# KiCad board panelizado.kicad_pcb (continued)
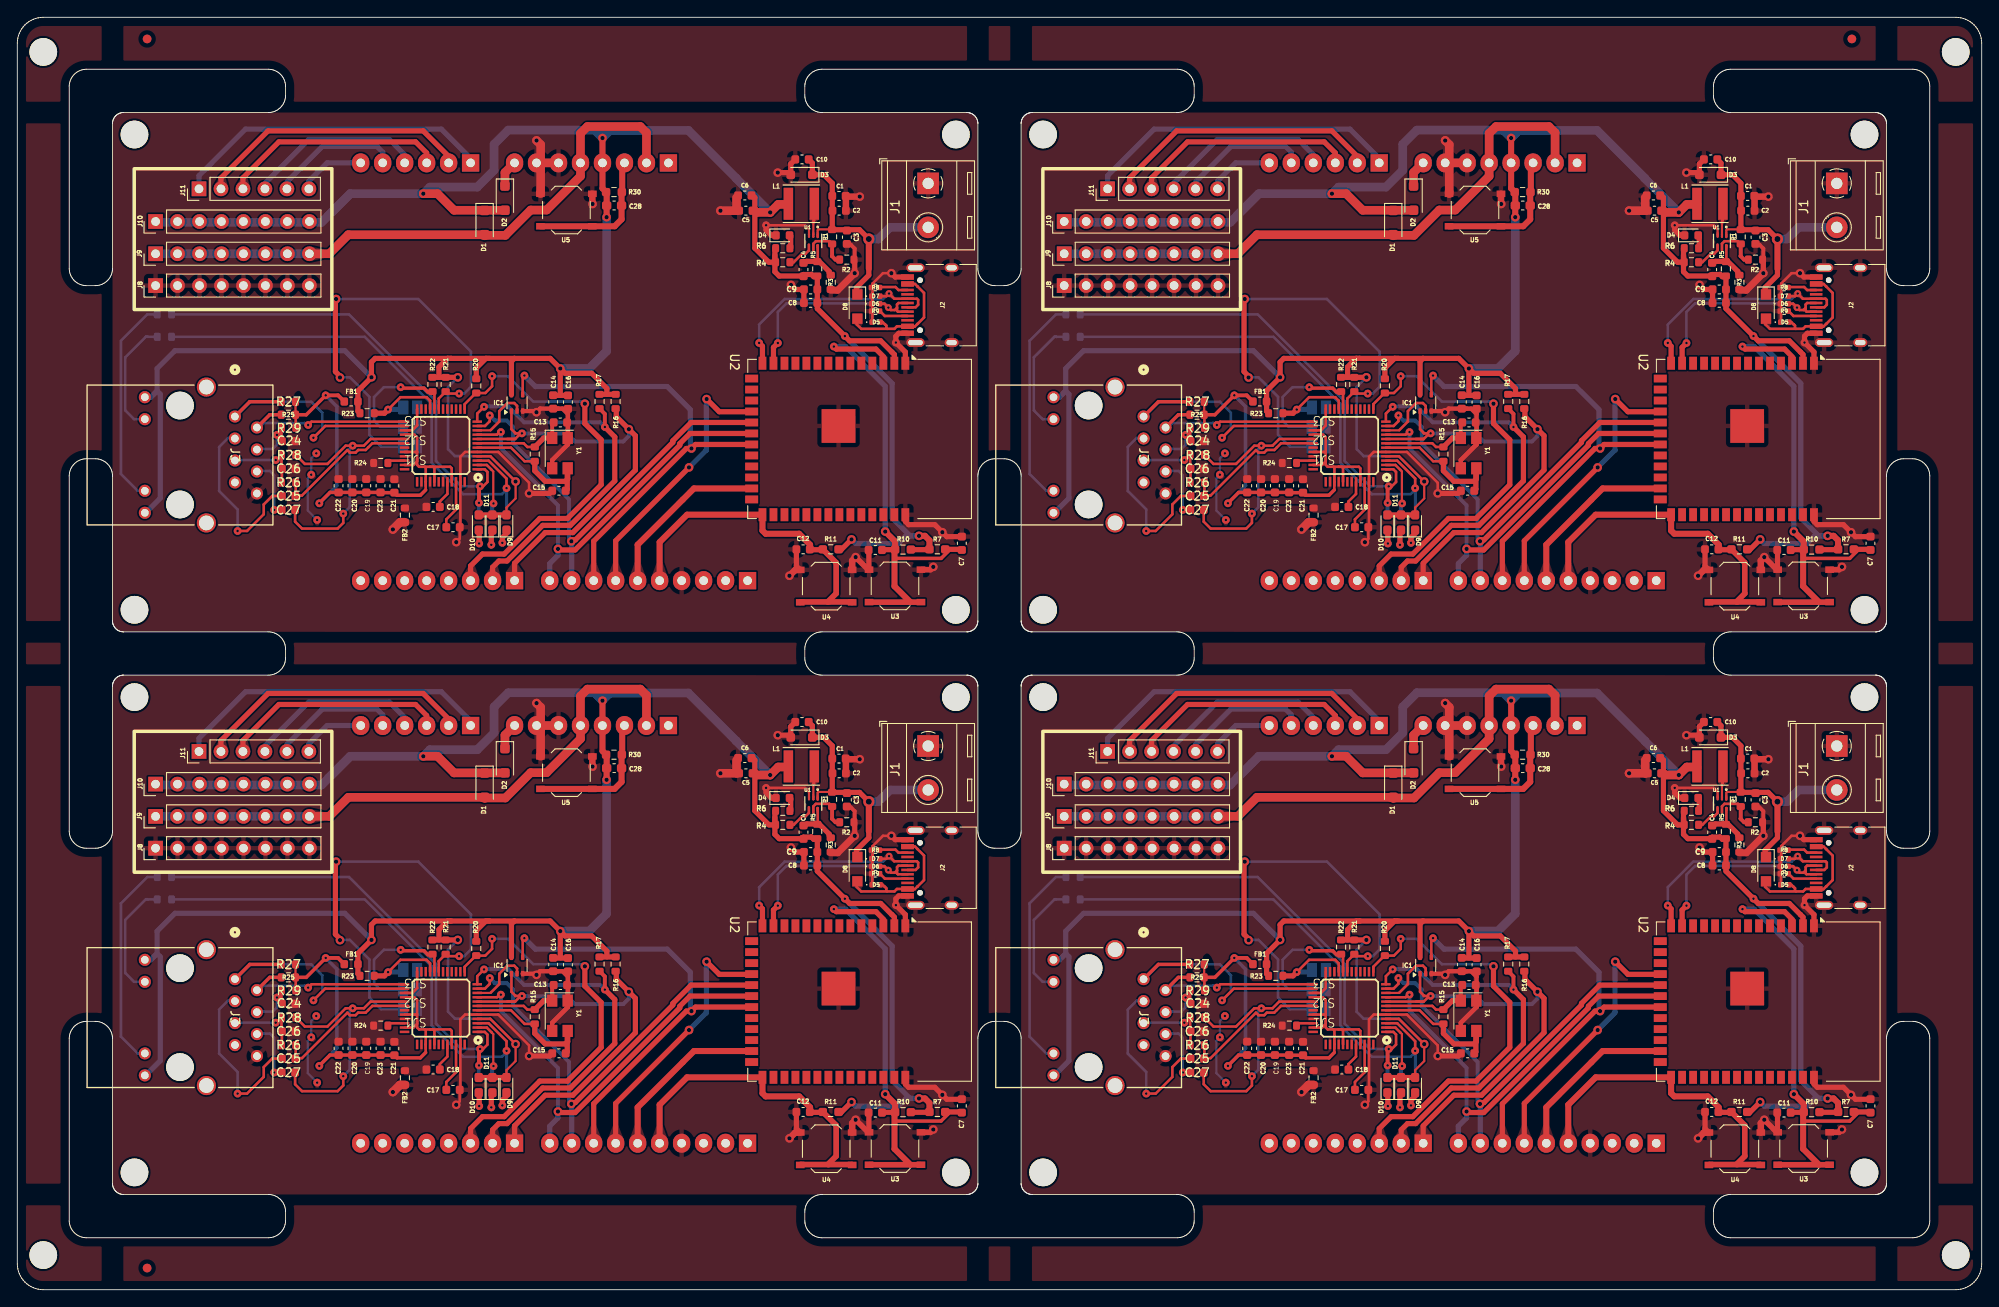
[diagram p0: board, top side]
## Nets (continued)
Board_1-Net-(U1-FB): C4.1 R3#3.2 R5.1 U1#3.6
Board_1-Net-(U1-PG): R4.1 U1#3.4
Board_1-Net-(U1-SW): L1#4.1 U1#3.2
Board_1-Net-(U$1-1V20): C17#3.1 U$1.22
Board_1-Net-(U$1-EXRES1): R24#2.1 U$1.10
Board_1-Net-(U$1-TOCAP): C18#3.1 U$1.20
Board_1-Net-(U$1-XI/CLKIN): C15#2.1 R15.2 U$1.30 Y1#3.2
Board_1-Net-(U$1-XO): C13#3.1 R15.1 U$1.31 Y1#3.1
Board_1-unconnected-(J2-SBU1-PadA8): J2#2.A8
Board_1-unconnected-(J2-SBU2-PadB8): J2#2.B8
Board_1-unconnected-(J3-NC-Pad7): J3#2.7
Board_1-unconnected-(J4-Pin_1-Pad1): J4#3.1
Board_1-unconnected-(J6-Pin_1-Pad1): J6#2.1
Board_1-unconnected-(J6-Pin_2-Pad2): J6#2.2
Board_1-unconnected-(J6-Pin_3-Pad3): J6#2.3
Board_1-unconnected-(J7-Pin_4-Pad4): J7#2.4
Board_1-unconnected-(J7-Pin_5-Pad5): J7#2.5
Board_1-unconnected-(J7-Pin_6-Pad6): J7#2.6
Board_1-unconnected-(J7-Pin_7-Pad7): J7#2.7
Board_1-unconnected-(J7-Pin_8-Pad8): J7#2.8
Board_1-unconnected-(U2-IO1-Pad39): U2#4.39
Board_1-unconnected-(U2-IO2-Pad38): U2#4.38
Board_1-unconnected-(U2-IO3-Pad15): U2#4.15
Board_1-unconnected-(U2-IO4-Pad4): U2#4.4
Board_1-unconnected-(U2-IO5-Pad5): U2#4.5
Board_1-unconnected-(U2-IO6-Pad6): U2#4.6
Board_1-unconnected-(U2-IO7-Pad7): U2#4.7
Board_1-unconnected-(U2-IO8-Pad12): U2#4.12
Board_1-unconnected-(U2-IO9-Pad17): U2#4.17
Board_1-unconnected-(U2-IO14-Pad22): U2#4.22
Board_1-unconnected-(U2-IO15-Pad8): U2#4.8
Board_1-unconnected-(U2-IO16-Pad9): U2#4.9
Board_1-unconnected-(U2-IO17-Pad10): U2#4.10
Board_1-unconnected-(U2-IO18-Pad11): U2#4.11
Board_1-unconnected-(U2-IO21-Pad23): U2#4.23
Board_1-unconnected-(U2-IO35-Pad28): U2#4.28
Board_1-unconnected-(U2-IO36-Pad29): U2#4.29
Board_1-unconnected-(U2-IO37-Pad30): U2#4.30
Board_1-unconnected-(U2-IO38-Pad31): U2#4.31
Board_1-unconnected-(U2-IO39-Pad32): U2#4.32
Board_1-unconnected-(U2-IO40-Pad33): U2#4.33
Board_1-unconnected-(U2-IO41-Pad34): U2#4.34
Board_1-unconnected-(U2-IO42-Pad35): U2#4.35
Board_1-unconnected-(U2-IO45-Pad26): U2#4.26
Board_1-unconnected-(U2-IO46-Pad16): U2#4.16
Board_1-unconnected-(U2-IO47-Pad24): U2#4.24
Board_1-unconnected-(U2-RXD0-Pad36): U2#4.36
Board_1-unconnected-(U2-TXD0-Pad37): U2#4.37
Board_1-unconnected-(U$1-DNC-Pad7): U$1.7
Board_1-unconnected-(U$1-NC@1-Pad12): U$1.12
Board_1-unconnected-(U$1-NC@2-Pad13): U$1.13
Board_1-unconnected-(U$1-NC@3-Pad46): U$1.46
Board_1-unconnected-(U$1-NC@4-Pad47): U$1.47
Board_1-unconnected-(U$1-RSVD@2-Pad38): U$1.38
Board_1-unconnected-(U$1-RSVD@3-Pad39): U$1.39
Board_1-unconnected-(U$1-RSVD@4-Pad40): U$1.40
Board_1-unconnected-(U$1-RSVD@5-Pad41): U$1.41
Board_1-unconnected-(U$1-RSVD@6-Pad42): U$1.42
Board_1-unconnected-(U$1-SPDLED-Pad24): U$1.24
Board_1-unconnected-(U$1-VBG-Pad18): U$1.18
Board_1-VBAT: C1#4.1 C2.1 C3#3.1 C10#2.1 D3#3.1 D8.1 J1#4.2 R1#2.2 U1#3.1
Board_1-VIN: D2#4.1 J4#3.8
Board_2-+3V3: C4#4.2 C5.1 C6#4.1 C8#4.1 C9#4.1 C14#3.1 C16#4.1 C28.1 D1#4.1 D2.2 D9#2.2 D10.2 D11#3.2 FB1.1 IC1#2.5 J3#3.9 J3#3.12 J4#2.4 J10#2.1 J10#2.2 J10#2.3 J10#2.4 J10#2.5 J10#2.6 J10#2.7 J10#2.8 L1#2.2 R4#4.2 R5#2.2 R6#2.1 R7#3.2 R10#2.2 R11.2 R16#4.2 R17#4.2 R20#3.1 R21#3.1 R22.1 R23.1 R30#2.2 U2#3.2 U$1#3.28
Board_2-+5V: D1#4.2 J4#2.2 J4#2.5 J9#2.1 J9#2.2 J9#2.3 J9#2.4 J9#2.5 J9#2.6 J9#2.7 J9#2.8
Board_2-/Archi/CS1: J6.7 U2#3.18
Board_2-/Archi/MISO: IC1#2.4 J6.8 U2#3.21
Board_2-/Archi/READY: J6.6 U2#3.25
Board_2-/Archi/RUN: C28.2 J4#2.3 R30#2.1 U5.1
Board_2-/Ethernet/ACTLED: R12#2.2 R18#2.2 U$1#3.27
Board_2-/Ethernet/CS: IC1#2.1 J7#3.1 R16#4.1 U$1#3.32
Board_2-/Ethernet/DUPLED: R14#4.2 U$1#3.26
Board_2-/Ethernet/GREENLED: J3#3.11 R19#2.1
Board_2-/Ethernet/INTN: J7#3.2 R17#4.1 U$1#3.36
Board_2-/Ethernet/LINKLED: R13#4.2 R19#2.2 U$1#3.25
Board_2-/Ethernet/MISO: IC1#2.2 U$1#3.34
Board_2-/Ethernet/MOSI: J6.9 U2#3.19 U$1#3.35
Board_2-/Ethernet/RESET: J7#3.3 R20#3.2 U$1#3.37
Board_2-/Ethernet/RX+: C25#4.2 R26#2.2 U$1#3.6
Board_2-/Ethernet/RX-: C27#4.2 R28#3.2 U$1#3.5
Board_2-/Ethernet/SCK: J6.10 U2#3.20 U$1#3.33
Board_2-/Ethernet/TX+: J3#3.1 R27#3.1 U$1#3.2
Board_2-/Ethernet/TX-: J3#3.2 R25.1 U$1#3.1
Board_2-/Ethernet/YELLOWLED: J3#3.10 R18#2.1
Board_2-/MCU-WiFi/CHIP_PU: C7#2.1 C11.1 R7#3.1 R10#2.1 U2#3.3 U3.2
Board_2-/MCU-WiFi/D+: D7#3.2 J2#3.A6 J2#3.B6 U2#3.14
Board_2-/MCU-WiFi/D-: D6#3.2 J2#3.A7 J2#3.B7 U2#3.13
Board_2-/MCU-WiFi/GPIO0: C12#2.1 J6.5 R11.1 U2#3.27 U4#2.2
Board_2-AGND: C18#2.2 C19#2.2 C20#2.2 C21#4.2 C22.2 C23.2 C24.2 C26#2.2 FB2#3.2 R24#4.2 U$1#3.3 U$1#3.9 U$1#3.14 U$1#3.16 U$1#3.19 U$1#3.48
Board_2-AVDD: C19#2.1 C20#2.1 C21#4.1 C22.1 C23.1 FB1.2 R25.2 R27#3.2 R29.2 U$1#3.4 U$1#3.8 U$1#3.11 U$1#3.15 U$1#3.17 U$1#3.21
Board_2-GND: C1#2.2 C2#2.2 C3.2 C5.2 C6#4.2 C7#2.2 C8#4.2 C9#4.2 C10#3.2 C11.2 C12#2.2 C13.2 C14#3.2 C15#3.2 C16#4.2 C17#4.2 D3#4.2 D4#4.1 D5.1 D6#3.1 D7#3.1 FB2#3.1 IC1#2.3 J1.1 J2#3.A1 J2#3.A12 J2#3.B1 J2#3.B12 J2#3.S1 J3#3.8 J4#2.6 J4#2.7 J6.4 J8.1 J8.2 J8.3 J8.4 J8.5 J8.6 J8.7 J8.8 R2#4.1 R3#2.1 R8#3.2 R9.2 SJ1#4.2 SJ2#3.2 SJ3.2 U1#4.3 U2#3.1 U2#3.40 U2#3.41 U3.1 U4#2.1 U5.2 U$1#3.23 U$1#3.29
Board_2-Net-(D4-A): D4#4.2 R6#2.2
Board_2-Net-(D5-A2): D5.2 D8#3.2 J2#3.A4 J2#3.A9 J2#3.B4 J2#3.B9
Board_2-Net-(D9-K): D9#2.1 R12#2.1
Board_2-Net-(D10-K): D10.1 R13#4.1
Board_2-Net-(D11-K): D11#3.1 R14#4.1
Board_2-Net-(J2-CC1): J2#3.A5 R9.1
Board_2-Net-(J2-CC2): J2#3.B5 R8#3.1
Board_2-Net-(J3-RCT): C26#2.1 J3#3.5 R26#2.1 R28#3.1
Board_2-Net-(J3-RD+): C25#4.1 J3#3.3
Board_2-Net-(J3-RD-): C27#4.1 J3#3.6
Board_2-Net-(J3-TCT): C24.1 J3#3.4 R29.1
Board_2-Net-(J11-Pin_1): J5.1 J11#3.1
Board_2-Net-(J11-Pin_2): J5.2 J11#3.2
Board_2-Net-(J11-Pin_3): J5.3 J11#3.3
Board_2-Net-(J11-Pin_4): J5.4 J11#3.4
Board_2-Net-(J11-Pin_5): J5.5 J11#3.5
Board_2-Net-(J11-Pin_6): J5.6 J11#3.6
Board_2-Net-(SJ1-A): R21#3.2 SJ1#4.1 U$1#3.43
Board_2-Net-(SJ2-A): R22.2 SJ2#3.1 U$1#3.44
Board_2-Net-(SJ3-A): R23.2 SJ3.1 U$1#3.45
Board_2-Net-(U1-EN): R1#4.1 R2#4.2 U1#4.5
Board_2-Net-(U1-FB): C4#4.1 R3#2.2 R5#2.1 U1#4.6
Board_2-Net-(U1-PG): R4#4.1 U1#4.4
Board_2-Net-(U1-SW): L1#2.1 U1#4.2
Board_2-Net-(U$1-1V20): C17#4.1 U$1#3.22
Board_2-Net-(U$1-EXRES1): R24#4.1 U$1#3.10
Board_2-Net-(U$1-TOCAP): C18#2.1 U$1#3.20
Board_2-Net-(U$1-XI/CLKIN): C15#3.1 R15#3.2 U$1#3.30 Y1#2.2
Board_2-Net-(U$1-XO): C13.1 R15#3.1 U$1#3.31 Y1#2.1
Board_2-unconnected-(J2-SBU1-PadA8): J2#3.A8
Board_2-unconnected-(J2-SBU2-PadB8): J2#3.B8
Board_2-unconnected-(J3-NC-Pad7): J3#3.7
Board_2-unconnected-(J4-Pin_1-Pad1): J4#2.1
Board_2-unconnected-(J6-Pin_1-Pad1): J6.1
Board_2-unconnected-(J6-Pin_2-Pad2): J6.2
Board_2-unconnected-(J6-Pin_3-Pad3): J6.3
Board_2-unconnected-(J7-Pin_4-Pad4): J7#3.4
Board_2-unconnected-(J7-Pin_5-Pad5): J7#3.5
Board_2-unconnected-(J7-Pin_6-Pad6): J7#3.6
Board_2-unconnected-(J7-Pin_7-Pad7): J7#3.7
Board_2-unconnected-(J7-Pin_8-Pad8): J7#3.8
Board_2-unconnected-(U2-IO1-Pad39): U2#3.39
Board_2-unconnected-(U2-IO2-Pad38): U2#3.38
Board_2-unconnected-(U2-IO3-Pad15): U2#3.15
Board_2-unconnected-(U2-IO4-Pad4): U2#3.4
Board_2-unconnected-(U2-IO5-Pad5): U2#3.5
Board_2-unconnected-(U2-IO6-Pad6): U2#3.6
Board_2-unconnected-(U2-IO7-Pad7): U2#3.7
Board_2-unconnected-(U2-IO8-Pad12): U2#3.12
Board_2-unconnected-(U2-IO9-Pad17): U2#3.17
Board_2-unconnected-(U2-IO14-Pad22): U2#3.22
Board_2-unconnected-(U2-IO15-Pad8): U2#3.8
Board_2-unconnected-(U2-IO16-Pad9): U2#3.9
Board_2-unconnected-(U2-IO17-Pad10): U2#3.10
Board_2-unconnected-(U2-IO18-Pad11): U2#3.11
Board_2-unconnected-(U2-IO21-Pad23): U2#3.23
Board_2-unconnected-(U2-IO35-Pad28): U2#3.28
Board_2-unconnected-(U2-IO36-Pad29): U2#3.29
Board_2-unconnected-(U2-IO37-Pad30): U2#3.30
Board_2-unconnected-(U2-IO38-Pad31): U2#3.31
Board_2-unconnected-(U2-IO39-Pad32): U2#3.32
Board_2-unconnected-(U2-IO40-Pad33): U2#3.33
Board_2-unconnected-(U2-IO41-Pad34): U2#3.34
Board_2-unconnected-(U2-IO42-Pad35): U2#3.35
Board_2-unconnected-(U2-IO45-Pad26): U2#3.26
Board_2-unconnected-(U2-IO46-Pad16): U2#3.16
Board_2-unconnected-(U2-IO47-Pad24): U2#3.24
Board_2-unconnected-(U2-RXD0-Pad36): U2#3.36
Board_2-unconnected-(U2-TXD0-Pad37): U2#3.37
Board_2-unconnected-(U$1-DNC-Pad7): U$1#3.7
Board_2-unconnected-(U$1-NC@1-Pad12): U$1#3.12
Board_2-unconnected-(U$1-NC@2-Pad13): U$1#3.13
Board_2-unconnected-(U$1-NC@3-Pad46): U$1#3.46
Board_2-unconnected-(U$1-NC@4-Pad47): U$1#3.47
Board_2-unconnected-(U$1-RSVD@2-Pad38): U$1#3.38
Board_2-unconnected-(U$1-RSVD@3-Pad39): U$1#3.39
Board_2-unconnected-(U$1-RSVD@4-Pad40): U$1#3.40
Board_2-unconnected-(U$1-RSVD@5-Pad41): U$1#3.41
Board_2-unconnected-(U$1-RSVD@6-Pad42): U$1#3.42
Board_2-unconnected-(U$1-SPDLED-Pad24): U$1#3.24
Board_2-unconnected-(U$1-VBG-Pad18): U$1#3.18
Board_2-VBAT: C1#2.1 C2#2.1 C3.1 C10#3.1 D3#4.1 D8#3.1 J1.2 R1#4.2 U1#4.1
Board_2-VIN: D2.1 J4#2.8
Board_3-+3V3: C4#3.2 C5#4.1 C6#2.1 C8#3.1 C9.1 C14#2.1 C16.1 C28#3.1 D1#2.1 D2#3.2 D9#4.2 D10#3.2 D11.2 FB1#3.1 IC1#3.5 J3#4.9 J3#4.12 J4#4.4 J10#3.1 J10#3.2 J10#3.3 J10#3.4 J10#3.5 J10#3.6 J10#3.7 J10#3.8 L1.2 R4#2.2 R5#3.2 R6#3.1 R7.2 R10.2 R11#2.2 R16#3.2 R17#2.2 R20.1 R21#4.1 R22#2.1 R23#4.1 R30.2 U2#2.2 U$1#4.28
Board_3-+5V: D1#2.2 J4#4.2 J4#4.5 J9#3.1 J9#3.2 J9#3.3 J9#3.4 J9#3.5 J9#3.6 J9#3.7 J9#3.8
Board_3-/Archi/CS1: J6#4.7 U2#2.18
Board_3-/Archi/MISO: IC1#3.4 J6#4.8 U2#2.21
Board_3-/Archi/READY: J6#4.6 U2#2.25
Board_3-/Archi/RUN: C28#3.2 J4#4.3 R30.1 U5#2.1
Board_3-/Ethernet/ACTLED: R12.2 R18.2 U$1#4.27
Board_3-/Ethernet/CS: IC1#3.1 J7.1 R16#3.1 U$1#4.32
Board_3-/Ethernet/DUPLED: R14#3.2 U$1#4.26
Board_3-/Ethernet/GREENLED: J3#4.11 R19.1
Board_3-/Ethernet/INTN: J7.2 R17#2.1 U$1#4.36
Board_3-/Ethernet/LINKLED: R13.2 R19.2 U$1#4.25
Board_3-/Ethernet/MISO: IC1#3.2 U$1#4.34
Board_3-/Ethernet/MOSI: J6#4.9 U2#2.19 U$1#4.35
Board_3-/Ethernet/RESET: J7.3 R20.2 U$1#4.37
Board_3-/Ethernet/RX+: C25#3.2 R26#4.2 U$1#4.6
Board_3-/Ethernet/RX-: C27.2 R28.2 U$1#4.5
Board_3-/Ethernet/SCK: J6#4.10 U2#2.20 U$1#4.33
Board_3-/Ethernet/TX+: J3#4.1 R27#2.1 U$1#4.2
Board_3-/Ethernet/TX-: J3#4.2 R25#3.1 U$1#4.1
Board_3-/Ethernet/YELLOWLED: J3#4.10 R18.1
Board_3-/MCU-WiFi/CHIP_PU: C7.1 C11#3.1 R7.1 R10.1 U2#2.3 U3#4.2
Board_3-/MCU-WiFi/D+: D7#2.2 J2.A6 J2.B6 U2#2.14
Board_3-/MCU-WiFi/D-: D6.2 J2.A7 J2.B7 U2#2.13
Board_3-/MCU-WiFi/GPIO0: C12#3.1 J6#4.5 R11#2.1 U2#2.27 U4.2
Board_3-AGND: C18#4.2 C19.2 C20#3.2 C21#3.2 C22#3.2 C23#2.2 C24#3.2 C26#3.2 FB2#4.2 R24#3.2 U$1#4.3 U$1#4.9 U$1#4.14 U$1#4.16 U$1#4.19 U$1#4.48
Board_3-AVDD: C19.1 C20#3.1 C21#3.1 C22#3.1 C23#2.1 FB1#3.2 R25#3.2 R27#2.2 R29#4.2 U$1#4.4 U$1#4.8 U$1#4.11 U$1#4.15 U$1#4.17 U$1#4.21
Board_3-GND: C1#3.2 C2#4.2 C3#4.2 C5#4.2 C6#2.2 C7.2 C8#3.2 C9.2 C10#4.2 C11#3.2 C12#3.2 C13#2.2 C14#2.2 C15#4.2 C16.2 C17#2.2 D3#2.2 D4.1 D5#4.1 D6.1 D7#2.1 FB2#4.1 IC1#3.3 J1#2.1 J2.A1 J2.A12 J2.B1 J2.B12 J2.S1 J3#4.8 J4#4.6 J4#4.7 J6#4.4 J8#4.1 J8#4.2 J8#4.3 J8#4.4 J8#4.5 J8#4.6 J8#4.7 J8#4.8 R2#3.1 R3#4.1 R8#2.2 R9#4.2 SJ1.2 SJ2#2.2 SJ3#4.2 U1#2.3 U2#2.1 U2#2.40 U2#2.41 U3#4.1 U4.1 U5#2.2 U$1#4.23 U$1#4.29
Board_3-Net-(D4-A): D4.2 R6#3.2
Board_3-Net-(D5-A2): D5#4.2 D8#4.2 J2.A4 J2.A9 J2.B4 J2.B9
Board_3-Net-(D9-K): D9#4.1 R12.1
Board_3-Net-(D10-K): D10#3.1 R13.1
Board_3-Net-(D11-K): D11.1 R14#3.1
Board_3-Net-(J2-CC1): J2.A5 R9#4.1
Board_3-Net-(J2-CC2): J2.B5 R8#2.1
Board_3-Net-(J3-RCT): C26#3.1 J3#4.5 R26#4.1 R28.1
Board_3-Net-(J3-RD+): C25#3.1 J3#4.3
Board_3-Net-(J3-RD-): C27.1 J3#4.6
Board_3-Net-(J3-TCT): C24#3.1 J3#4.4 R29#4.1
Board_3-Net-(J11-Pin_1): J5#4.1 J11#2.1
Board_3-Net-(J11-Pin_2): J5#4.2 J11#2.2
Board_3-Net-(J11-Pin_3): J5#4.3 J11#2.3
Board_3-Net-(J11-Pin_4): J5#4.4 J11#2.4
Board_3-Net-(J11-Pin_5): J5#4.5 J11#2.5
Board_3-Net-(J11-Pin_6): J5#4.6 J11#2.6
Board_3-Net-(SJ1-A): R21#4.2 SJ1.1 U$1#4.43
Board_3-Net-(SJ2-A): R22#2.2 SJ2#2.1 U$1#4.44
Board_3-Net-(SJ3-A): R23#4.2 SJ3#4.1 U$1#4.45
Board_3-Net-(U1-EN): R1.1 R2#3.2 U1#2.5
Board_3-Net-(U1-FB): C4#3.1 R3#4.2 R5#3.1 U1#2.6
Board_3-Net-(U1-PG): R4#2.1 U1#2.4
Board_3-Net-(U1-SW): L1.1 U1#2.2
Board_3-Net-(U$1-1V20): C17#2.1 U$1#4.22
Board_3-Net-(U$1-EXRES1): R24#3.1 U$1#4.10
Board_3-Net-(U$1-TOCAP): C18#4.1 U$1#4.20
Board_3-Net-(U$1-XI/CLKIN): C15#4.1 R15#2.2 U$1#4.30 Y1#4.2
Board_3-Net-(U$1-XO): C13#2.1 R15#2.1 U$1#4.31 Y1#4.1
Board_3-unconnected-(J2-SBU1-PadA8): J2.A8
Board_3-unconnected-(J2-SBU2-PadB8): J2.B8
Board_3-unconnected-(J3-NC-Pad7): J3#4.7
Board_3-unconnected-(J4-Pin_1-Pad1): J4#4.1
Board_3-unconnected-(J6-Pin_1-Pad1): J6#4.1
Board_3-unconnected-(J6-Pin_2-Pad2): J6#4.2
Board_3-unconnected-(J6-Pin_3-Pad3): J6#4.3
Board_3-unconnected-(J7-Pin_4-Pad4): J7.4
Board_3-unconnected-(J7-Pin_5-Pad5): J7.5
Board_3-unconnected-(J7-Pin_6-Pad6): J7.6
Board_3-unconnected-(J7-Pin_7-Pad7): J7.7
Board_3-unconnected-(J7-Pin_8-Pad8): J7.8
Board_3-unconnected-(U2-IO1-Pad39): U2#2.39
Board_3-unconnected-(U2-IO2-Pad38): U2#2.38
Board_3-unconnected-(U2-IO3-Pad15): U2#2.15
Board_3-unconnected-(U2-IO4-Pad4): U2#2.4
Board_3-unconnected-(U2-IO5-Pad5): U2#2.5
Board_3-unconnected-(U2-IO6-Pad6): U2#2.6
Board_3-unconnected-(U2-IO7-Pad7): U2#2.7
Board_3-unconnected-(U2-IO8-Pad12): U2#2.12
Board_3-unconnected-(U2-IO9-Pad17): U2#2.17
Board_3-unconnected-(U2-IO14-Pad22): U2#2.22
Board_3-unconnected-(U2-IO15-Pad8): U2#2.8
Board_3-unconnected-(U2-IO16-Pad9): U2#2.9
Board_3-unconnected-(U2-IO17-Pad10): U2#2.10
Board_3-unconnected-(U2-IO18-Pad11): U2#2.11
Board_3-unconnected-(U2-IO21-Pad23): U2#2.23
Board_3-unconnected-(U2-IO35-Pad28): U2#2.28
Board_3-unconnected-(U2-IO36-Pad29): U2#2.29
Board_3-unconnected-(U2-IO37-Pad30): U2#2.30
Board_3-unconnected-(U2-IO38-Pad31): U2#2.31
Board_3-unconnected-(U2-IO39-Pad32): U2#2.32
Board_3-unconnected-(U2-IO40-Pad33): U2#2.33
Board_3-unconnected-(U2-IO41-Pad34): U2#2.34
Board_3-unconnected-(U2-IO42-Pad35): U2#2.35
Board_3-unconnected-(U2-IO45-Pad26): U2#2.26
Board_3-unconnected-(U2-IO46-Pad16): U2#2.16
Board_3-unconnected-(U2-IO47-Pad24): U2#2.24
Board_3-unconnected-(U2-RXD0-Pad36): U2#2.36
Board_3-unconnected-(U2-TXD0-Pad37): U2#2.37
Board_3-unconnected-(U$1-DNC-Pad7): U$1#4.7
Board_3-unconnected-(U$1-NC@1-Pad12): U$1#4.12
Board_3-unconnected-(U$1-NC@2-Pad13): U$1#4.13
Board_3-unconnected-(U$1-NC@3-Pad46): U$1#4.46
Board_3-unconnected-(U$1-NC@4-Pad47): U$1#4.47
Board_3-unconnected-(U$1-RSVD@2-Pad38): U$1#4.38
Board_3-unconnected-(U$1-RSVD@3-Pad39): U$1#4.39
Board_3-unconnected-(U$1-RSVD@4-Pad40): U$1#4.40
Board_3-unconnected-(U$1-RSVD@5-Pad41): U$1#4.41
Board_3-unconnected-(U$1-RSVD@6-Pad42): U$1#4.42
Board_3-unconnected-(U$1-SPDLED-Pad24): U$1#4.24
Board_3-unconnected-(U$1-VBG-Pad18): U$1#4.18
Board_3-VBAT: C1#3.1 C2#4.1 C3#4.1 C10#4.1 D3#2.1 D8#4.1 J1#2.2 R1.2 U1#2.1
Board_3-VIN: D2#3.1 J4#4.8

Pads without a net: J3 13 14; J3#2 13 14; J3#3 13 14; J3#4 13 14; Y1 3 4; Y1#2 3 4; Y1#3 3 4; Y1#4 3 4

## Via types
v1: diameter 1, hole 0.5, Top to Bottom, 144 vias
v2: diameter 0.9, hole 0.3, Top to Bottom, 144 vias
v3: diameter 0.8, hole 0.3, Top to Bottom, 8 vias
v4: diameter 1.3, hole 0.7, Top to Bottom, 4 vias

## Routing (per net, layer and track width the routed paths; a pad name or vN(x,y) marks a point on that pad's centre or on a via; arc(x,y) is an arc through that point)
Board_0-+3V3: length 343.1
  Top w0.25: v1(57.58,93.37) 57.58,91.42 56.53,90.36 D9.2
  Top w0.3: v1(57.58,93.37) 57.58,93.37 54.66,96.28 U$1#2.28
  Top w0.6: D9.2 D11#2.2 D10#2.2 ; 103.19,85.49 105.36,85.49 R7#2.2 ; C16#3.1 61.95,103.32 C14.1 ; 101.41,107.09 U2.2 101.35,108.05 101.07,108.32 101.07,108.32 99.77,109.62 96.18,109.62 v2(95.63,110.17) 92.45,113.35 C8.1 92.45,117.02 92.44,117.03 92.04,117.03 91.77,117.3 91.76,117.29 90.85,117.29 90.67,117.11 88.04,117.11 87.54,117.61 87.54,120.3 87.57,120.32 R6.1 ; 57.44,107.59 61.58,107.59 v1(62.74,106.43) ; 57.44,107.59 50.12,107.59 ; 57.44,107.59 57.1,107.26 IC1.5 ; 94.91,85.49 95.2,85.49 v1(96.4,86.68) ; 48.7,105.41 48.72,105.43 48.72,106.6 49.71,107.59 50.12,107.59 ; R23#3.1 39.36,101.5 39.36,103.85 v1(40.92,105.41) 40.92,107.17 41.35,107.59 50.12,107.59 ; R20#4.1 53.03,106.48 54.15,107.59 54.59,107.59 ; v1(62.74,106.43) 63.3,105.87 66.38,105.87 68.13,104.12 68.13,103.44 ; v1(62.74,106.43) 62.74,103.34 ; 68.1,126.76 68.08,126.78 ; 85.05,126.37 85.22,126.19 85.22,120.34 86.86,118.7 87.54,118.7 87.54,119.53 ; v1(50.9,105.41) R21.1 R22#4.1 ; R16.2 R17#3.2
  Top w0.7: v1(104.2,87.09) 104.89,87.09 105.4,86.58 R7#2.2 ; v1(67.62,133.05) J4.4 67.62,127.24 68.08,126.78 ; v1(68.1,123.91) 68.1,125.25 ; C28#4.1 68.1,126.76
  Top w1: v1(46.92,126.62) 48.56,126.62 50.47,124.71 D2#2.2 ; 68.1,125.25 C28#4.1 ; 89.1,125.38 87.92,125.38 v1(87,124.46) 85.42,124.46 85.22,124.66
  Bottom w0.3: v1(50.9,105.41) 49.77,104.28 49.77,97.11 50.57,96.31 54.64,96.31 v1(57.58,93.37)
  Bottom w0.6: v2(95.63,110.17) 101.09,104.7 101.09,89.16 103.17,87.09 v1(104.2,87.09) 102.69,87.09 101.8,86.21 96.87,86.21 v1(96.4,86.68) ; 16.15,103.84 16.53,103.46 16.53,91.45 14.94,89.87 ; 16.15,103.84 16.15,106.42 18.22,108.48 37.85,108.48 v1(40.92,105.41) ; 16.15,103.84 15.42,103.11 J3.9 ; 16.15,103.84 15.75,103.44
  Bottom w1: 35.99,124.13 38.48,126.62 ; 35.99,124.13 38.48,126.62 ; 35.99,124.13 35.16,123.31 16.08,123.31 J10.1 ; 38.48,126.62 v1(46.92,126.62) 47.68,127.38 53.15,127.38 55.1,129.33 55.1,132.33 56.73,133.97 66.71,133.97 ; v1(68.1,123.91) 68.1,108.43 66.09,106.43 v1(62.74,106.43) ; 66.71,133.97 v1(67.62,133.05) 68.5,133.93 ; 66.71,133.97 68.47,133.97 68.5,133.93 ; 68.5,133.93 77.55,133.93 83.08,128.41 83.08,128.38 v1(87,124.46)
Board_0-+5V: length 69.5
  Top w1: J9.8 36.05,119.68 38.25,121.88 D1.2 ; J4.2 72.7,133.67 71.99,134.38 65.88,134.38 65.08,133.59 J4.5 65.08,128.65 61.17,124.73 59.33,124.73 56.4,121.81 54.05,121.81 54,121.76
  Bottom w1: J9.1 J9.2 J9.3 J9.4 J9.5 J9.6 J9.7 J9.8
Board_0-/Archi/CS1: length 31.1
  Top w0.6: U2.18 84.83,101.43 81.12,101.43 v1(79.65,102.9) ; J6#3.7 69.15,86.52 v1(77.62,95)
  Bottom w0.6: v1(77.62,95) 79.63,97 79.63,102.87 v1(79.65,102.9)
Board_0-/Archi/MISO: length 55.1
  Top w0.3: IC1.4 58.4,105.42 v2(58.6,105.61)
  Top w0.6: 66.6,81.93 J6#3.8 66.61,86.48 77.31,97.19 v1(77.9,97.19) 78.37,97.65 U2.21
  Bottom w0.6: v1(77.9,97.19) 77.77,97.31 77.77,101.68 75.11,104.34 59.87,104.34 v2(58.6,105.61) ; J6#3.8 66.6,81.93
Board_0-/Archi/READY: length 20
  Top w0.7: U2.25 78.19,92.57 71.69,86.06 J6#3.6
Board_0-/Archi/RUN: length 16.4
  Top w0.6: 69.83,126.71 69.9,126.78 ; 69.9,129.92 J4.3
  Top w0.7: U5#4.1 69.03,122.86 69.83,123.66 C28#4.2 69.83,126.71 ; 69.9,126.78 69.9,129.92
Board_0-/Ethernet/ACTLED: length 59.3
  Top w0.25: 56.42,92.49 v2(56.53,92.6)
  Top w0.3: v2(56.53,92.6) 56.53,93.71 54.46,95.78 U$1#2.27
  Bottom w0.25: 56.48,92.54 v2(56.53,92.6) 56.55,92.58 ; R12#3.2 56.55,89.57
  Bottom w0.3: R18#3.2 40.15,110.08 47.89,102.35 47.89,95.53 51.51,91.91 56.01,91.91 56.53,92.43 v2(56.53,92.6)
  Bottom w0.35: 56.55,89.57 56.55,92.58
Board_0-/Ethernet/CS: length 52.1
  Top w0.3: 57.52,98.28 56.6,98.28 ; 57.52,98.28 58.17,98.93 v2(58.32,98.93) 57.56,98.93 57.54,98.96 57.54,98.98 57.1,99.41 IC1.1 ; 57.52,98.28 U$1#2.32
  Top w0.6: J7#4.1 57.46,83.93 61,87.47 64.2,87.47 71.42,94.69 71.42,98.66 v1(70.67,99.42) 69.21,100.87 69.21,101.72 R16.1
  Bottom w0.45: v1(70.67,99.42) 70.67,98.64 70.03,97.99 64.44,97.99 63.52,98.91 58.34,98.91 v2(58.32,98.93)
Board_0-/Ethernet/DUPLED: length 6.8
  Top w0.25: 54.82,94.71 54.83,94.71 55,94.53 55,91.21
  Top w0.3: U$1#2.26 54.25,95.28 54.82,94.71
  Bottom w0.25: 54.88,90.68 v2(55.03,90.83)
  Bottom w0.45: R14.2 54.88,90.68
Board_0-/Ethernet/GREENLED: length 24.8
  Bottom w0.3: R19#3.1 15.02,112.67 11.97,109.63 11.97,94.24 13.91,92.3 J3.11
  Bottom w0.6: J3.11 14.48,92.56
Board_0-/Ethernet/INTN: length 45.9
  Top w0.3: U$1#2.36 53.15,101.22 v2(53.94,102)
  Top w0.45: v2(67.89,99.67) 67.89,101.18 R17#3.1
  Top w0.6: J7#4.2 54.92,83.47 55.65,84.19 56.59,84.19 60.71,88.3 63.9,88.3 69.04,93.44 69.04,98.52 v2(67.89,99.67)
  Bottom w0.45: v2(53.94,102) 53.99,102.06 56.72,102.06 58.57,100.21 67.35,100.21 v2(67.89,99.67)
Board_0-/Ethernet/LINKLED: length 54.8
  Top w0.25: 53.35,92.68 v2(53.48,92.81)
  Top w0.3: v2(53.48,92.81) 53.82,92.81 54.32,93.31 54.32,94.47 54.01,94.78 U$1#2.25
  Top w0.45: v2(53.35,90.91) 53.35,92.68
  Bottom w0.25: 53.33,90.88 v2(53.35,90.91)
  Bottom w0.3: R19#3.2 38.33,112.67 48.39,102.62 48.39,95.74 51.31,92.81 v2(53.48,92.81)
  Bottom w0.45: R13#2.2 53.33,90.88
Board_0-/Ethernet/MISO: length 7.3
  Top w0.25: 54.73,99.33 54.68,99.28 U$1#2.34
  Top w0.3: IC1.2 57.75,102.11 57.43,102.43 56.63,102.43 55.7,101.5 55.7,100.3 54.73,99.33
Board_0-/Ethernet/MOSI: length 52.9
  Top w0.3: U$1#2.35 54.04,99.78 54.6,100.34 v2(54.6,101)
  Top w0.6: v1(64.02,86.47) 64.17,86.61 64.48,86.61 75.75,97.89 75.75,98.08 77.86,100.19 U2.19
  Bottom w0.25: 64.07,86.42 v1(64.02,86.47)
  Bottom w0.45: v1(64.02,86.47) 63.75,86.47 63.75,91.31 57.29,97.77 57.29,99.68 56.57,100.41 55.19,100.41 v2(54.6,101)
  Bottom w0.6: J6#3.9 64.07,86.42
Board_0-/Ethernet/RESET: length 49
  Top w0.3: U$1#2.37 51.7,102.31 52.99,103.59 54.08,103.59 54.86,104.38 v2(54.86,105.54)
  Top w0.6: v1(65.58,102.36) 65.58,100.07 67.47,98.19 67.47,93 63.57,89.1 60.38,89.1 56.26,84.99 53.75,84.99 52.38,83.62 J7#4.3 52.76,81.92
  Bottom w0.3: v2(54.86,105.54) 56.69,105.54 59.62,102.61 65.34,102.61 v1(65.58,102.36)
Board_0-/Ethernet/RX+: length 16.8
  Top w0.3: U$1#2.6 41.03,97.78 40.26,97.01 39.39,97.01 39.09,96.71 38.43,96.71 38.14,97 32.89,91.75 32.18,91.75 R26#3.2
Board_0-/Ethernet/RX-: length 31.1
  Top w0.3: U$1#2.5 40.82,98.28 40.05,97.51 v2(38.76,97.51) 37.94,97.51 35.84,95.4 33.22,95.4 R28#4.2 ; C27#3.2 32.1,88.73 32.9,87.94 37.01,87.94 37.67,88.59 v2(37.67,89.66)
  Bottom w0.3: v2(37.67,89.66) 38.4,90.4 38.4,97.16 v2(38.76,97.51)
Board_0-/Ethernet/SCK: length 51.3
  Top w0.3: U$1#2.33 55.43,98.78 55.73,99.08 v2(55.88,99.08)
  Top w0.6: 61.47,81.97 J6#3.10 ; U2.20 77.73,98.92 76.55,97.75 76.55,97.56 64.46,85.46 62.59,85.46 v1(62.48,85.58)
  Bottom w0.45: v1(62.48,85.58) 62.48,90.61 55.88,97.21 v2(55.88,99.08)
  Bottom w0.6: J6#3.10 61.53,83.89 62.48,84.84 v1(62.48,85.58)
Board_0-/Ethernet/TX+: length 32.2
  Top w0.3: U$1#2.2 35.58,99.78 v2(34.22,98.43) ; 30.5,102.6 30.5,102.42 30.34,102.58
  Top w0.4: R27.1 26.86,102.58 J3.1
  Bottom w0.3: J3.1 25.27,100.88 26.98,102.58 33.98,102.58 35.24,101.32 35.24,99.45 v2(34.22,98.43)
Board_0-/Ethernet/TX-: length 21.6
  Top w0.3: U$1#2.1 34,100.28 v2(33.61,99.9) ; J3.2 27.98,99.89 ; 30.52,101.08 30.53,101.08
  Top w0.4: J3.2 29.17,101.08 R25#4.1
  Bottom w0.254: 27.74,99.61 27.71,99.58
  Bottom w0.3: 27.73,99.67 27.95,99.9 ; 33.67,99.66 33.2,100.13 28.47,100.13 28,99.66
Board_0-/Ethernet/YELLOWLED: length 13.5
  Bottom w0.3: R18#3.1 15.07,110.08 15.04,110.11 14.87,110.11 12.47,107.71 12.47,101.59 13.49,100.57 J3.10
Board_0-/MCU-WiFi/CHIP_PU: length 57.8
  Top w0.25: R10#4.1 101.37,85.44 101.37,84.53 101.42,84.48
  Top w0.4: 101.42,84.48 106.75,84.48 107.78,85.51 107.78,85.53
  Top w0.6: R10#4.1 101.42,85.49 99.85,85.49 ; 100.14,107.75 99.22,108.67 94.65,108.67 v2(94.36,108.96) ; 107.14,85.53 R7#2.1 109.07,85.53 C7#4.1
  Top w0.65: U3#2.2 U3#2.2
  Top w0.7: R10#4.1 101.44,86.45 v1(100.29,87.59) ; 103.2,79.43 101.37,81.27 101.37,85.49
  Bottom w0.6: v2(94.36,108.96) 95.7,108.96 100.29,104.37 v1(100.29,87.59)
Board_0-/MCU-WiFi/D+: length 28.1
  Top w0.3: 99.53,114.78 100.43,114.78 v3(100.74,115.09) 101.33,114.49 J2#4.B6 103.95,114.49 104.1,114.34 104.1,113.79 103.81,113.49 J2#4.A6
  Top w0.6: U2.14 86.11,109 v2(85.72,109.38)
  Bottom w0.3: v2(85.72,109.38) 85.72,111.5 88.68,114.45 100.05,114.45 100.71,115.11
  Bottom w0.6: v3(100.74,115.09) 100.71,115.11
Board_0-/MCU-WiFi/D-: length 25.2
  Top w0.3: 101.66,113.44 101.66,113.82 101.83,113.99 J2#4.A7 ; 101.66,113.44 101.66,113.09 101.76,112.99 J2#4.B7 ; 101.66,113.44 101.4,113.18 100.94,113.18 v3(100.66,113.46) 100.22,113.9 D6#4.2
  Top w0.6: v2(87.89,109.37) 87.38,108.86 U2.13
  Bottom w0.3: v2(87.89,109.37) 87.89,112.95 88.88,113.95 100.17,113.95 v3(100.66,113.46)
Board_0-/MCU-WiFi/GPIO0: length 41
  Top w0.25: 93.65,79.46 93.78,79.46
  Top w0.6: 93.08,85.49 91.61,85.49
  Top w0.65: R11#3.1 94.63,83.99 94.63,80.43 93.65,79.46 ; U4#4.2 96.43,79.46 90.53,79.46 U4#4.2
  Top w0.7: J6#3.5 74.23,86.36 77.4,89.53 U2.27 86.11,87.7 86.48,87.33 90.35,87.33 91.61,86.07 91.61,85.49
Board_0-AGND: length 3.6
  Top w0.3: U$1#2.3 45.64,99.28 46.2,99.84 U$1#2.48
Board_0-AVDD: length 55.8
  Top w0.25: R25#4.2 R27.2 ; 33.38,101.08 33.38,101.08
  Top w0.3: 46.2,96 46.2,96.77 ; 46.2,96 46.2,95.3 46.42,95.07 47.1,95.07 ; 46.2,96 46.2,95.71 45.77,95.28 U$1#2.11 ; 46.2,96.77 46.2,98.46 45.88,98.78 U$1#2.4 ; 46.2,96.77 46.02,96.77 46.01,96.78 U$1#2.8 ; U$1#2.21 50.2,94.9 50.02,95.07 47.67,95.07 ; 47.67,95.07 47.1,95.07 ; 47.67,95.07 48.05,95.07 48.2,94.92 U$1#2.17 ; 47.1,95.07 47.2,94.97 U$1#2.15 47.19,93.33 47.19,92.4 ; 42,92.08 C23#3.1 ; 32.18,99.53 32.18,101.08 ; 32.18,102.58 32.15,102.6
  Top w0.4: 42,92.08 C21#2.1 43.87,91.78 46.57,91.78 47.19,92.4 ; C23#3.1 C19#4.1 C20.1 C22#4.1 36.13,92.11 34.9,90.87 v2(34.9,90.86) ; 33.38,101.08 R25#4.2 ; v2(35.64,103.33) 33.38,101.08
  Top w0.45: v2(35.64,103.33) 37.07,103.33 FB1#4.2
  Bottom w0.4: v2(35.64,103.33) 36.93,102.03 36.93,92.89 v2(34.9,90.86)
Board_0-GND: length 128.1
  Top w0.25: 95.8,126.28 C1.2 95.75,126.33 ; 91.29,122.68 91.49,122.48 91.49,121.91 U1.3 91.49,121.63 ; 63.63,100.24 63.59,100.2 63.6,100.19 ; U3#2.1 98.4,83.2 ; 63.6,101.79 C16#3.2